# Altium PCB PCB1.PcbDoc (part 9 of 15) (continued)
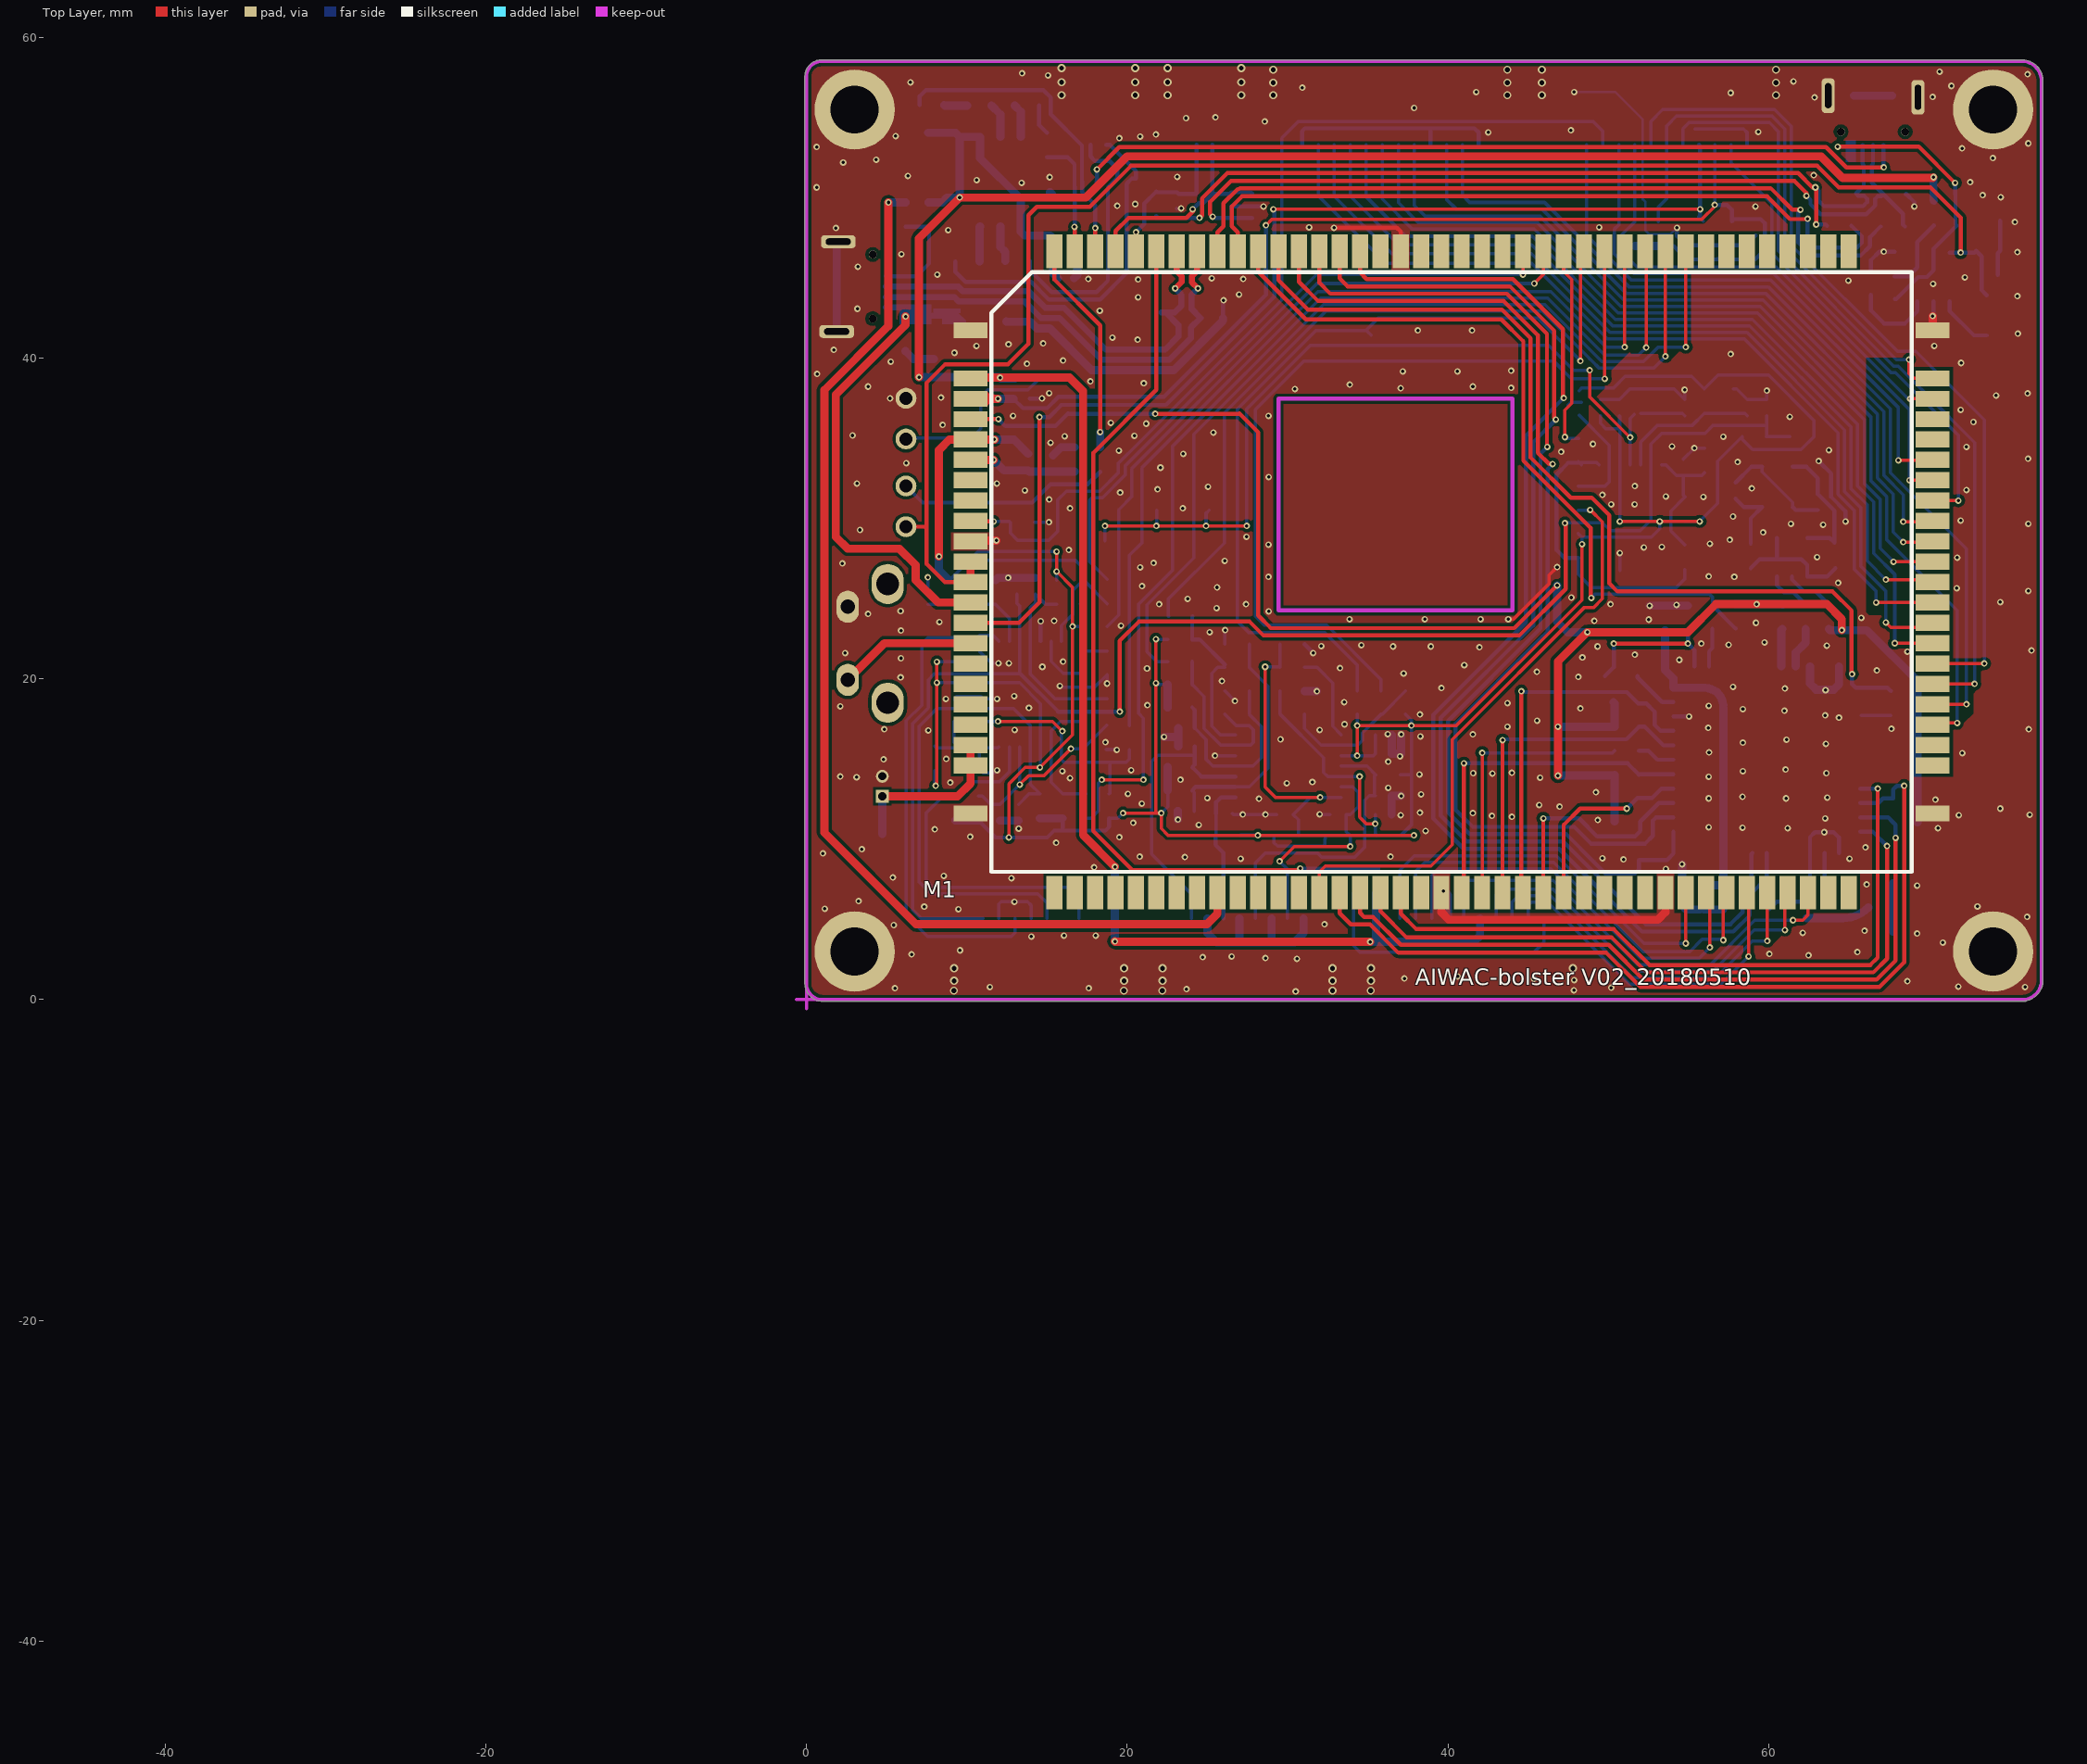
[diagram p0: Top Layer view]
## Free pads (board coordinates) (continued)
1(-45.241,-44.015) 1(-45.241,-44.015) 1(-45.241,-44.015) 1(-45.241,-44.015) 1(-45.241,-44.015) 1(-45.241,-44.015) 1(-45.241,-44.014) 1(-45.241,-44.014) 1(-45.241,-44.014) 1(-45.241,-44.014) 1(-45.241,-44.014) 1(-45.241,-44.014) 1(-45.241,-43.986) 1(-45.241,-43.986) 1(-45.241,-43.986) 1(-45.241,-43.986) 1(-45.241,-43.986) 1(-45.241,-43.986) 1(-45.241,-44.008) 1(-45.241,-44.008) 1(-45.241,-44.008) 1(-45.241,-44.008) 1(-45.241,-44.008) 1(-45.241,-44.008) 1(-45.241,-44.007) 1(-45.241,-44.007) 1(-45.241,-44.007) 1(-45.241,-44.007) 1(-45.241,-44.007) 1(-45.241,-44.007) 1(-45.241,-44.014) 1(-45.241,-44.014) 1(-45.241,-44.014) 1(-45.241,-44.014) 1(-45.241,-44.014) 1(-45.241,-44.014) 1(-45.241,-43.989) 1(-45.241,-43.989) 1(-45.241,-43.989) 1(-45.241,-43.989) 1(-45.241,-43.989) 1(-45.241,-43.989) 1(-45.241,-44.01) 1(-45.241,-44.01) 1(-45.241,-44.01) 1(-45.241,-44.01) 1(-45.241,-44.01) 1(-45.241,-44.01) 1(-45.241,-43.984) 1(-45.241,-43.984) 1(-45.241,-43.984) 1(-45.241,-43.984) 1(-45.241,-43.984) 1(-45.241,-43.984) 1(-45.241,-43.978) 1(-45.241,-43.978) 1(-45.241,-43.978) 1(-45.241,-43.976) 1(-45.241,-43.976) 1(-45.241,-43.976) 1(-45.241,-43.976) 1(-45.241,-43.976) 1(-45.241,-43.976) 1(-45.241,-43.976) 1(-45.241,-43.976) 1(-45.241,-43.976) 1(-45.241,-44.013) 1(-45.241,-44.013) 1(-45.241,-44.013) 1(-45.241,-44.013) 1(-45.241,-44.013) 1(-45.241,-44.013) 1(-45.24,-43.996) 1(-45.24,-43.996) 1(-45.24,-43.996) 1(-45.24,-43.996) 1(-45.24,-43.996) 1(-45.24,-43.996) 1(-45.24,-43.995) 1(-45.24,-43.995) 1(-45.24,-43.995) 1(-45.24,-43.995) 1(-45.24,-43.995) 1(-45.24,-43.995) 1(-45.24,-44.008) 1(-45.24,-44.008) 1(-45.24,-44.008) 1(-45.24,-44.008) 1(-45.24,-44.008) 1(-45.24,-44.008) 1(-45.24,-44.012) 1(-45.24,-44.012) 1(-45.24,-44.012) 1(-45.24,-44.012) 1(-45.24,-44.012) 1(-45.24,-44.012) 1(-45.24,-43.998) 1(-45.24,-43.998) 1(-45.24,-43.998) 1(-45.24,-43.992) 1(-45.24,-43.992) 1(-45.24,-43.992) 1(-45.24,-43.991) 1(-45.24,-43.991) 1(-45.24,-43.991) 1(-45.24,-43.992) 1(-45.24,-43.992) 1(-45.24,-43.992) 1(-45.24,-43.997) 1(-45.24,-43.997) 1(-45.24,-43.997) 1(-45.24,-43.99) 1(-45.24,-43.99) 1(-45.24,-43.99) 1(-45.24,-43.99) 1(-45.24,-43.99) 1(-45.24,-43.99) 1(-45.24,-44.006) 1(-45.24,-44.006) 1(-45.24,-44.006) 1(-45.24,-44.006) 1(-45.24,-44.006) 1(-45.24,-44.006) 1(-45.24,-43.969) 1(-45.24,-43.969) 1(-45.24,-43.969) 1(-45.24,-43.969) 1(-45.24,-43.969) 1(-45.24,-43.969) 1(-45.24,-44.009) 1(-45.24,-44.009) 1(-45.24,-44.009) 1(-45.24,-44.009) 1(-45.24,-44.009) 1(-45.24,-44.009) 1(-45.24,-43.988) 1(-45.24,-43.988) 1(-45.24,-43.988) 1(-45.24,-43.988) 1(-45.24,-43.988) 1(-45.24,-43.988) 1(-45.24,-43.987) 1(-45.24,-43.987) 1(-45.24,-43.987) 1(-45.24,-43.987) 1(-45.24,-43.987) 1(-45.24,-43.987) 1(-45.24,-43.985) 1(-45.24,-43.985) 1(-45.24,-43.985) 1(-45.24,-43.985) 1(-45.24,-43.985) 1(-45.24,-43.985) 1(-45.24,-44.017) 1(-45.24,-44.017) 1(-45.24,-44.017) 1(-45.24,-43.994) 1(-45.24,-43.994) 1(-45.24,-43.994) 1(-45.24,-43.992) 1(-45.24,-43.992) 1(-45.24,-43.992) 1(-45.24,-43.992) 1(-45.24,-43.992) 1(-45.24,-43.992) 1(-45.24,-43.975) 1(-45.24,-43.975) 1(-45.24,-43.975) 1(-45.24,-43.975) 1(-45.24,-43.975) 1(-45.24,-43.975) 1(-45.24,-43.972) 1(-45.24,-43.972) 1(-45.24,-43.972) 1(-45.24,-43.972) 1(-45.24,-43.972) 1(-45.24,-43.972) 1(-45.24,-43.97) 1(-45.24,-43.97) 1(-45.24,-43.97) 1(-45.24,-43.97) 1(-45.24,-43.97) 1(-45.24,-43.97) 1(-45.24,-44.016) 1(-45.24,-44.016) 1(-45.24,-44.016) 1(-45.24,-44.016) 1(-45.24,-44.016) 1(-45.24,-44.016) 1(-45.24,-43.977) 1(-45.24,-43.977) 1(-45.24,-43.977) 1(-45.24,-43.977) 1(-45.24,-43.977) 1(-45.24,-43.977) 1(-45.24,-43.996) 1(-45.24,-43.996) 1(-45.24,-43.996) 1(-45.24,-43.996) 1(-45.24,-43.996) 1(-45.24,-43.996) 1(-45.24,-43.994) 1(-45.24,-43.994) 1(-45.24,-43.994) 1(-45.24,-43.994) 1(-45.24,-43.994) 1(-45.24,-43.994) 1(-45.24,-43.99) 1(-45.24,-43.99) 1(-45.24,-43.99) 1(-45.24,-44.016) 1(-45.24,-44.016) 1(-45.24,-44.016) 1(-45.24,-44.016) 1(-45.24,-44.016) 1(-45.24,-44.016) 1(-45.24,-44.014) 1(-45.24,-44.014) 1(-45.24,-44.014) 1(-45.24,-44.014) 1(-45.24,-44.014) 1(-45.24,-44.014) 1(-45.24,-44.013) 1(-45.24,-44.013) 1(-45.24,-44.013) 1(-45.24,-44.012) 1(-45.24,-44.012) 1(-45.24,-44.012) 1(-45.24,-44.011) 1(-45.24,-44.011) 1(-45.24,-44.011) 1(-45.24,-44.01) 1(-45.24,-44.01) 1(-45.24,-44.01) 1(-45.24,-44.009) 1(-45.24,-44.009) 1(-45.24,-44.009) 1(-45.24,-44.008) 1(-45.24,-44.008) 1(-45.24,-44.008) 1(-45.24,-44.007) 1(-45.24,-44.007) 1(-45.24,-44.007) 1(-45.24,-44.006) 1(-45.24,-44.006) 1(-45.24,-44.006) 1(-45.24,-43.978) 1(-45.24,-43.978) 1(-45.24,-43.978) 1(-45.24,-43.978) 1(-45.24,-43.978) 1(-45.24,-43.978) 1(-45.24,-43.987) 1(-45.24,-43.987) 1(-45.24,-43.987) 1(-45.24,-43.987) 1(-45.24,-43.987) 1(-45.24,-43.987) 1(-45.239,-43.999) 1(-45.239,-43.999) 1(-45.239,-43.999) 1(-45.239,-43.999) 1(-45.239,-43.999) 1(-45.239,-43.999) 1(-45.239,-44) 1(-45.239,-44) 1(-45.239,-44) 1(-45.239,-43.992) 1(-45.239,-43.992) 1(-45.239,-43.992) 1(-45.239,-43.992) 1(-45.239,-43.992) 1(-45.239,-43.992) 1(-45.239,-43.97) 1(-45.239,-43.97) 1(-45.239,-43.97) 1(-45.239,-43.97) 1(-45.239,-43.97) 1(-45.239,-43.97) 1(-45.239,-43.977) 1(-45.239,-43.977) 1(-45.239,-43.977) 1(-45.239,-43.977) 1(-45.239,-43.977) 1(-45.239,-43.977) 1(-45.239,-43.977) 1(-45.239,-43.977) 1(-45.239,-43.977) 1(-45.239,-43.977) 1(-45.239,-43.977) 1(-45.239,-43.977) 1(-45.239,-43.977) 1(-45.239,-43.977) 1(-45.239,-43.977) 1(-45.239,-44.004) 1(-45.239,-44.004) 1(-45.239,-44.004) 1(-45.239,-44.016) 1(-45.239,-44.016) 1(-45.239,-44.016) 1(-45.239,-43.988) 1(-45.239,-43.988) 1(-45.239,-43.988) 1(-45.239,-43.988) 1(-45.239,-43.988) 1(-45.239,-43.988) 1(-45.239,-43.972) 1(-45.239,-43.972) 1(-45.239,-43.972) 1(-45.239,-43.971) 1(-45.239,-43.971) 1(-45.239,-43.971) 1(-45.239,-43.971) 1(-45.239,-43.971) 1(-45.239,-43.971) 1(-45.239,-43.993) 1(-45.239,-43.993) 1(-45.239,-43.993) 1(-45.239,-43.993) 1(-45.239,-43.993) 1(-45.239,-43.993) 1(-45.239,-43.992) 1(-45.239,-43.992) 1(-45.239,-43.992) 1(-45.239,-43.992) 1(-45.239,-43.992) 1(-45.239,-43.992) 1(-45.239,-43.992) 1(-45.239,-43.992) 1(-45.239,-43.992) 1(-45.239,-43.991) 1(-45.239,-43.991) 1(-45.239,-43.991) 1(-45.239,-43.989) 1(-45.239,-43.989) 1(-45.239,-43.989) 1(-45.239,-43.988) 1(-45.239,-43.988) 1(-45.239,-43.988) 1(-45.239,-43.988) 1(-45.239,-43.988) 1(-45.239,-43.988) 1(-45.239,-43.987) 1(-45.239,-43.987) 1(-45.239,-43.987) 1(-45.239,-43.987) 1(-45.239,-43.987) 1(-45.239,-43.987) 1(-45.239,-43.999) 1(-45.239,-43.999) 1(-45.239,-43.999) 1(-45.239,-43.999) 1(-45.239,-43.999) 1(-45.239,-43.999) 1(-45.239,-43.998) 1(-45.239,-43.998) 1(-45.239,-43.998) 1(-45.239,-43.997) 1(-45.239,-43.997) 1(-45.239,-43.997) 1(-45.239,-43.995) 1(-45.239,-43.995) 1(-45.239,-43.995) 1(-45.239,-43.994) 1(-45.239,-43.994) 1(-45.239,-43.994) 1(-45.239,-43.994) 1(-45.239,-43.994) 1(-45.239,-43.994) 1(-45.239,-44.021) 1(-45.239,-44.021) 1(-45.239,-44.021) 1(-45.239,-44.021) 1(-45.239,-44.021) 1(-45.239,-44.021) 1(-45.239,-43.984) 1(-45.239,-43.984) 1(-45.239,-43.984) 1(-45.239,-43.984) 1(-45.239,-43.984) 1(-45.239,-43.984) 1(-45.239,-43.978) 1(-45.239,-43.978) 1(-45.239,-43.978) 1(-45.239,-43.978) 1(-45.239,-43.978) 1(-45.239,-43.978) 1(-45.239,-43.979) 1(-45.239,-43.979) 1(-45.239,-43.979) 1(-45.239,-43.979) 1(-45.239,-43.979) 1(-45.239,-43.979) 1(-45.239,-44.003) 1(-45.239,-44.003) 1(-45.239,-44.003) 1(-45.239,-44.003) 1(-45.239,-44.003) 1(-45.239,-44.003) 1(-45.239,-44.003) 1(-45.239,-44.003) 1(-45.239,-44.003) 1(-45.239,-44.002) 1(-45.239,-44.002) 1(-45.239,-44.002) 1(-45.239,-44.007) 1(-45.239,-44.007) 1(-45.239,-44.007) 1(-45.239,-44.007) 1(-45.239,-44.007) 1(-45.239,-44.007) 1(-45.239,-44.007) 1(-45.239,-44.007) 1(-45.239,-44.007) 1(-45.239,-44.007) 1(-45.239,-44.007) 1(-45.239,-44.007) 1(-45.239,-43.97) 1(-45.239,-43.97) 1(-45.239,-43.97) 1(-45.239,-43.97) 1(-45.239,-43.97) 1(-45.239,-43.97) 1(-45.239,-44.022) 1(-45.239,-44.022) 1(-45.239,-44.022) 1(-45.239,-44.022) 1(-45.239,-44.022) 1(-45.239,-44.022) 1(-45.238,-43.986) 1(-45.238,-43.986) 1(-45.238,-43.986) 1(-45.238,-43.986) 1(-45.238,-43.986) 1(-45.238,-43.986) 1(-45.238,-43.989) 1(-45.238,-43.989) 1(-45.238,-43.989) 1(-45.238,-43.989) 1(-45.238,-43.989) 1(-45.238,-43.989) 1(-45.238,-43.991) 1(-45.238,-43.991) 1(-45.238,-43.991) 1(-45.238,-43.991) 1(-45.238,-43.991) 1(-45.238,-43.991) 1(-45.238,-43.991) 1(-45.238,-43.991) 1(-45.238,-43.991) 1(-45.238,-44.004) 1(-45.238,-44.004) 1(-45.238,-44.004) 1(-45.238,-44.003) 1(-45.238,-44.003) 1(-45.238,-44.003) 1(-45.238,-44.003) 1(-45.238,-44.003) 1(-45.238,-44.003) 1(-45.238,-43.971) 1(-45.238,-43.971) 1(-45.238,-43.971) 1(-45.238,-43.976) 1(-45.238,-43.976) 1(-45.238,-43.976) 1(-45.238,-43.976) 1(-45.238,-43.976) 1(-45.238,-43.976) 1(-45.238,-43.972) 1(-45.238,-43.972) 1(-45.238,-43.972) 1(-45.238,-44.022) 1(-45.238,-44.022) 1(-45.238,-44.022) 1(-45.238,-44.022) 1(-45.238,-44.022) 1(-45.238,-44.022) 1(-45.238,-43.995) 1(-45.238,-43.995) 1(-45.238,-43.995) 1(-45.238,-43.995) 1(-45.238,-43.995) 1(-45.238,-43.995) 1(-45.238,-43.995) 1(-45.238,-43.995) 1(-45.238,-43.995) 1(-45.238,-43.976) 1(-45.238,-43.976) 1(-45.238,-43.976) 1(-45.238,-43.976) 1(-45.238,-43.976) 1(-45.238,-43.976) 1(-45.238,-43.976) 1(-45.238,-43.976) 1(-45.238,-43.976) 1(-45.238,-43.976) 1(-45.238,-43.976) 1(-45.238,-43.976) 1(-45.238,-43.976) 1(-45.238,-43.976) 1(-45.238,-43.976) 1(-45.238,-43.972) 1(-45.238,-43.972) 1(-45.238,-43.972) 1(-45.238,-43.972) 1(-45.238,-43.972) 1(-45.238,-43.972) 1(-45.238,-44.003) 1(-45.238,-44.003) 1(-45.238,-44.003) 1(-45.238,-43.992) 1(-45.238,-43.992) 1(-45.238,-43.992) 1(-45.238,-43.992) 1(-45.238,-43.992) 1(-45.238,-43.992) 1(-45.238,-44.021) 1(-45.238,-44.021) 1(-45.238,-44.021) 1(-45.238,-44.021) 1(-45.238,-44.021) 1(-45.238,-44.021) 1(-45.238,-43.994) 1(-45.238,-43.994) 1(-45.238,-43.994) 1(-45.238,-43.978) 1(-45.238,-43.978) 1(-45.238,-43.978) 1(-45.238,-43.978) 1(-45.238,-43.978) 1(-45.238,-43.978) 1(-45.238,-43.976) 1(-45.238,-43.976) 1(-45.238,-43.976) 1(-45.238,-43.988) 1(-45.238,-43.988) 1(-45.238,-43.988) 1(-45.238,-43.988) 1(-45.238,-43.988) 1(-45.238,-43.988) 1(-45.238,-43.987) 1(-45.238,-43.987) 1(-45.238,-43.987) 1(-45.238,-43.987) 1(-45.238,-43.987) 1(-45.238,-43.987) 1(-45.238,-43.992) 1(-45.238,-43.992) 1(-45.238,-43.992) 1(-45.238,-43.991) 1(-45.238,-43.991) 1(-45.238,-43.991) 1(-45.238,-43.99) 1(-45.238,-43.99) 1(-45.238,-43.99) 1(-45.238,-43.99) 1(-45.238,-43.99) 1(-45.238,-43.99) 1(-45.237,-44.008) 1(-45.237,-44.008) 1(-45.237,-44.008) 1(-45.237,-44.014) 1(-45.237,-44.014) 1(-45.237,-44.014) 1(-45.237,-44.012) 1(-45.237,-44.012) 1(-45.237,-44.012) 1(-45.237,-44.011) 1(-45.237,-44.011) 1(-45.237,-44.011) 1(-45.237,-44.007) 1(-45.237,-44.007) 1(-45.237,-44.007) 1(-45.237,-43.999) 1(-45.237,-43.999) 1(-45.237,-43.999) 1(-45.237,-44.004) 1(-45.237,-44.004) 1(-45.237,-44.004) 1(-45.237,-44.003) 1(-45.237,-44.003) 1(-45.237,-44.003) 1(-45.237,-44.003) 1(-45.237,-44.003) 1(-45.237,-44.003) 1(-45.237,-44.01) 1(-45.237,-44.01) 1(-45.237,-44.01) 1(-45.237,-44.022) 1(-45.237,-44.022) 1(-45.237,-44.022) 1(-45.237,-44.022) 1(-45.237,-44.022) 1(-45.237,-44.022) 1(-45.237,-44) 1(-45.237,-44) 1(-45.237,-44) 1(-45.237,-44) 1(-45.237,-44) 1(-45.237,-44) 1(-45.237,-43.997) 1(-45.237,-43.997) 1(-45.237,-43.997) 1(-45.237,-44.023) 1(-45.237,-44.023) 1(-45.237,-44.023) 1(-45.237,-44.023) 1(-45.237,-44.023) 1(-45.237,-44.023) 1(-45.237,-44.003) 1(-45.237,-44.003) 1(-45.237,-44.003) 1(-45.237,-44.003) 1(-45.237,-44.003) 1(-45.237,-44.003) 1(-45.237,-44.002) 1(-45.237,-44.002) 1(-45.237,-44.002) 1(-45.237,-44) 1(-45.237,-44) 1(-45.237,-44) 1(-45.237,-44) 1(-45.237,-44) 1(-45.237,-44) 1(-45.237,-44) 1(-45.237,-44) 1(-45.237,-44) 1(-45.237,-44) 1(-45.237,-44) 1(-45.237,-44) 1(-45.237,-44) 1(-45.237,-44) 1(-45.237,-44) 1(-45.237,-44) 1(-45.237,-44) 1(-45.237,-44) 1(-45.237,-44.023) 1(-45.237,-44.023) 1(-45.237,-44.023) 1(-45.237,-44.023) 1(-45.237,-44.023) 1(-45.237,-44.023) 1(-45.237,-43.989) 1(-45.237,-43.989) 1(-45.237,-43.989) 1(-45.237,-43.989) 1(-45.237,-43.989) 1(-45.237,-43.989) 1(-45.237,-43.975) 1(-45.237,-43.975) 1(-45.237,-43.975) 1(-45.237,-43.975) 1(-45.237,-43.975) 1(-45.237,-43.975) 1(-45.237,-43.975) 1(-45.237,-43.975) 1(-45.237,-43.975) 1(-45.237,-43.972) 1(-45.237,-43.972) 1(-45.237,-43.972) 1(-45.237,-43.972) 1(-45.237,-43.972) 1(-45.237,-43.972) 1(-45.237,-43.972) 1(-45.237,-43.972) 1(-45.237,-43.972) 1(-45.237,-44.024) 1(-45.237,-44.024) 1(-45.237,-44.024) 1(-45.237,-44.024) 1(-45.237,-44.024) 1(-45.237,-44.024) 1(-45.237,-43.979) 1(-45.237,-43.979) 1(-45.237,-43.979) 1(-45.237,-43.979) 1(-45.237,-43.979) 1(-45.237,-43.979) 1(-45.237,-43.979) 1(-45.237,-43.979) 1(-45.237,-43.979) 1(-45.237,-43.979) 1(-45.237,-43.979) 1(-45.237,-43.979) 1(-45.237,-43.994) 1(-45.237,-43.994) 1(-45.237,-43.994) 1(-45.237,-43.994) 1(-45.237,-43.994) 1(-45.237,-43.994) 1(-45.237,-43.991) 1(-45.237,-43.991) 1(-45.237,-43.991) 1(-45.237,-43.991) 1(-45.237,-43.991) 1(-45.237,-43.991) 1(-45.237,-43.986) 1(-45.237,-43.986) 1(-45.237,-43.986) 1(-45.237,-43.986) 1(-45.237,-43.986) 1(-45.237,-43.986) 1(-45.237,-43.979) 1(-45.237,-43.979) 1(-45.237,-43.979) 1(-45.237,-43.979) 1(-45.237,-43.979) 1(-45.237,-43.979) 1(-45.237,-43.979) 1(-45.237,-43.979) 1(-45.237,-43.979) 1(-45.237,-43.979) 1(-45.237,-43.979) 1(-45.237,-43.979) 1(-45.237,-44.024) 1(-45.237,-44.024) 1(-45.237,-44.024) 1(-45.237,-44.024) 1(-45.237,-44.024) 1(-45.237,-44.024) 1(-45.237,-44.021) 1(-45.237,-44.021) 1(-45.237,-44.021) 1(-45.237,-44.021) 1(-45.237,-44.021) 1(-45.237,-44.021) 1(-45.236,-44.021) 1(-45.236,-44.021) 1(-45.236,-44.021) 1(-45.236,-44.021) 1(-45.236,-44.021) 1(-45.236,-44.021) 1(-45.236,-43.99) 1(-45.236,-43.99) 1(-45.236,-43.99) 1(-45.236,-43.988) 1(-45.236,-43.988) 1(-45.236,-43.988) 1(-45.236,-43.988) 1(-45.236,-43.988) 1(-45.236,-43.988) 1(-45.236,-43.975) 1(-45.236,-43.975) 1(-45.236,-43.975) 1(-45.236,-43.975) 1(-45.236,-43.975) 1(-45.236,-43.975) 1(-45.236,-44.003) 1(-45.236,-44.003) 1(-45.236,-44.003) 1(-45.236,-43.996) 1(-45.236,-43.996) 1(-45.236,-43.996) 1(-45.236,-44.02) 1(-45.236,-44.02) 1(-45.236,-44.02) 1(-45.236,-44.02) 1(-45.236,-44.02) 1(-45.236,-44.02) 1(-45.236,-43.985) 1(-45.236,-43.985) 1(-45.236,-43.985) 1(-45.236,-43.968) 1(-45.236,-43.968) 1(-45.236,-43.968) 1(-45.236,-43.973) 1(-45.236,-43.973) 1(-45.236,-43.973) 1(-45.236,-43.973) 1(-45.236,-43.973) 1(-45.236,-43.973) 1(-45.236,-43.972) 1(-45.236,-43.972) 1(-45.236,-43.972) 1(-45.236,-43.978) 1(-45.236,-43.978) 1(-45.236,-43.978) 1(-45.236,-43.978) 1(-45.236,-43.978) 1(-45.236,-43.978) 1(-45.236,-43.976) 1(-45.236,-43.976) 1(-45.236,-43.976) 1(-45.236,-43.976) 1(-45.236,-43.976) 1(-45.236,-43.976) 1(-45.236,-43.976) 1(-45.236,-43.976) 1(-45.236,-43.976) 1(-45.236,-43.976) 1(-45.236,-43.976) 1(-45.236,-43.976) 1(-45.236,-44.005) 1(-45.236,-44.005) 1(-45.236,-44.005) 1(-45.236,-43.995) 1(-45.236,-43.995) 1(-45.236,-43.995) 1(-45.236,-44.021) 1(-45.236,-44.021) 1(-45.236,-44.021) 1(-45.236,-44.021) 1(-45.236,-44.021) 1(-45.236,-44.021) 1(-45.236,-43.987) 1(-45.236,-43.987) 1(-45.236,-43.987) 1(-45.236,-43.976) 1(-45.236,-43.976) 1(-45.236,-43.976) 1(-45.236,-43.976) 1(-45.236,-43.976) 1(-45.236,-43.976) 1(-45.236,-43.999) 1(-45.236,-43.999) 1(-45.236,-43.999) 1(-45.236,-44.002) 1(-45.236,-44.002) 1(-45.236,-44.002) 1(-45.236,-43.994) 1(-45.236,-43.994) 1(-45.236,-43.994) 1(-45.236,-43.993) 1(-45.236,-43.993) 1(-45.236,-43.993) 1(-45.236,-43.987) 1(-45.236,-43.987) 1(-45.236,-43.987) 1(-45.236,-43.987) 1(-45.236,-43.987) 1(-45.236,-43.987) 1(-45.236,-43.991) 1(-45.236,-43.991) 1(-45.236,-43.991) 1(-45.235,-43.99) 1(-45.235,-43.99) 1(-45.235,-43.99) 1(-45.235,-43.99) 1(-45.235,-43.99) 1(-45.235,-43.99) 1(-45.235,-43.99) 1(-45.235,-43.99) 1(-45.235,-43.99) 1(-45.235,-43.99) 1(-45.235,-43.99) 1(-45.235,-43.99) 1(-45.235,-44.019) 1(-45.235,-44.019) 1(-45.235,-44.019) 1(-45.235,-44.019) 1(-45.235,-44.019) 1(-45.235,-44.019) 1(-45.235,-44.018) 1(-45.235,-44.018) 1(-45.235,-44.018) 1(-45.235,-44.018) 1(-45.235,-44.018) 1(-45.235,-44.018) 1(-45.235,-44.014) 1(-45.235,-44.014) 1(-45.235,-44.014) 1(-45.235,-44.012) 1(-45.235,-44.012) 1(-45.235,-44.012) 1(-45.235,-44.011) 1(-45.235,-44.011) 1(-45.235,-44.011) 1(-45.235,-44.009) 1(-45.235,-44.009) 1(-45.235,-44.009) 1(-45.235,-44.007) 1(-45.235,-44.007) 1(-45.235,-44.007) 1(-45.235,-43.971) 1(-45.235,-43.971) 1(-45.235,-43.971) 1(-45.235,-43.971) 1(-45.235,-43.971) 1(-45.235,-43.971) 1(-45.235,-43.994) 1(-45.235,-43.994) 1(-45.235,-43.994) 1(-45.235,-43.994) 1(-45.235,-43.994) 1(-45.235,-43.994) 1(-45.235,-43.984) 1(-45.235,-43.984) 1(-45.235,-43.984) 1(-45.235,-43.984) 1(-45.235,-43.984) 1(-45.235,-43.984) 1(-45.235,-43.988) 1(-45.235,-43.988) 1(-45.235,-43.988) 1(-45.235,-43.988) 1(-45.235,-43.988) 1(-45.235,-43.988) 1(-45.235,-43.978) 1(-45.235,-43.978) 1(-45.235,-43.978) 1(-45.235,-43.978) 1(-45.235,-43.978) 1(-45.235,-43.978) 1(-45.235,-43.983) 1(-45.235,-43.983) 1(-45.235,-43.983) 1(-45.235,-43.983) 1(-45.235,-43.983) 1(-45.235,-43.983) 1(-45.235,-43.972) 1(-45.235,-43.972) 1(-45.235,-43.972) 1(-45.235,-43.971) 1(-45.235,-43.971) 1(-45.235,-43.971) 1(-45.235,-43.971) 1(-45.235,-43.971) 1(-45.235,-43.971) 1(-45.235,-43.989) 1(-45.235,-43.989) 1(-45.235,-43.989) 1(-45.235,-43.988) 1(-45.235,-43.988) 1(-45.235,-43.988) 1(-45.235,-43.988) 1(-45.235,-43.988) 1(-45.235,-43.988) 1(-45.235,-44.022) 1(-45.235,-44.022) 1(-45.235,-44.022) 1(-45.235,-44.022) 1(-45.235,-44.022) 1(-45.235,-44.022) 1(-45.235,-43.983) 1(-45.235,-43.983) 1(-45.235,-43.983) 1(-45.235,-43.983) 1(-45.235,-43.983) 1(-45.235,-43.983) 1(-45.235,-44.02) 1(-45.235,-44.02) 1(-45.235,-44.02) 1(-45.235,-44.02) 1(-45.235,-44.02) 1(-45.235,-44.02) 1(-45.235,-44.018) 1(-45.235,-44.018) 1(-45.235,-44.018) 1(-45.235,-44.018) 1(-45.235,-44.018) 1(-45.235,-44.018) 1(-45.235,-43.998) 1(-45.235,-43.998) 1(-45.235,-43.998) 1(-45.235,-43.996) 1(-45.235,-43.996) 1(-45.235,-43.996) 1(-45.235,-43.995) 1(-45.235,-43.995) 1(-45.235,-43.995) 1(-45.235,-43.995) 1(-45.235,-43.995) 1(-45.235,-43.995) 1(-45.235,-43.992) 1(-45.235,-43.992) 1(-45.235,-43.992) 1(-45.235,-43.992) 1(-45.235,-43.992) 1(-45.235,-43.992) 1(-45.235,-44.017) 1(-45.235,-44.017) 1(-45.235,-44.017) 1(-45.235,-44.017) 1(-45.235,-44.017) 1(-45.235,-44.017) 1(-45.235,-44.016) 1(-45.235,-44.016) 1(-45.235,-44.016) 1(-45.235,-44.016) 1(-45.235,-44.016) 1(-45.235,-44.016) 1(-45.235,-43.993) 1(-45.235,-43.993) 1(-45.235,-43.993) 1(-45.235,-44.016) 1(-45.235,-44.016) 1(-45.235,-44.016) 1(-45.235,-43.983) 1(-45.235,-43.983) 1(-45.235,-43.983) 1(-45.235,-43.983) 1(-45.235,-43.983) 1(-45.235,-43.983) 1(-45.235,-44.021) 1(-45.235,-44.021) 1(-45.235,-44.021) 1(-45.235,-44.021) 1(-45.235,-44.021) 1(-45.235,-44.021) 1(-45.235,-43.991) 1(-45.235,-43.991) 1(-45.235,-43.991) 1(-45.235,-43.991) 1(-45.235,-43.991) 1(-45.235,-43.991) 1(-45.235,-44.021) 1(-45.235,-44.021) 1(-45.235,-44.021) 1(-45.235,-44.021) 1(-45.235,-44.021) 1(-45.235,-44.021) 1(-45.235,-44.02) 1(-45.235,-44.02) 1(-45.235,-44.02) 1(-45.235,-44.02) 1(-45.235,-44.02) 1(-45.235,-44.02) 1(-45.234,-43.979) 1(-45.234,-43.979) 1(-45.234,-43.979) 1(-45.234,-43.979) 1(-45.234,-43.979) 1(-45.234,-43.979) 1(-45.234,-43.977) 1(-45.234,-43.977) 1(-45.234,-43.977) 1(-45.234,-43.976) 1(-45.234,-43.976) 1(-45.234,-43.976) 1(-45.234,-43.976) 1(-45.234,-43.976) 1(-45.234,-43.976) 1(-45.234,-43.975) 1(-45.234,-43.975) 1(-45.234,-43.975) 1(-45.234,-44.001) 1(-45.234,-44.001) 1(-45.234,-44.001) 1(-45.234,-44) 1(-45.234,-44) 1(-45.234,-44) 1(-45.234,-43.982) 1(-45.234,-43.982) 1(-45.234,-43.982) 1(-45.234,-43.982) 1(-45.234,-43.982) 1(-45.234,-43.982) 1(-45.234,-43.971) 1(-45.234,-43.971) 1(-45.234,-43.971) 1(-45.234,-43.997) 1(-45.234,-43.997) 1(-45.234,-43.997) 1(-45.234,-43.997) 1(-45.234,-43.997) 1(-45.234,-43.997) 1(-45.234,-44.018) 1(-45.234,-44.018) 1(-45.234,-44.018) 1(-45.234,-44.018) 1(-45.234,-44.018) 1(-45.234,-44.018) 1(-45.234,-43.982) 1(-45.234,-43.982) 1(-45.234,-43.982) 1(-45.234,-43.982) 1(-45.234,-43.982) 1(-45.234,-43.982) 1(-45.234,-43.976) 1(-45.234,-43.976) 1(-45.234,-43.976) 1(-45.234,-43.976) 1(-45.234,-43.976) 1(-45.234,-43.976) 1(-45.234,-43.994) 1(-45.234,-43.994) 1(-45.234,-43.994) 1(-45.234,-43.994) 1(-45.234,-43.994) 1(-45.234,-43.994) 1(-45.234,-43.992) 1(-45.234,-43.992) 1(-45.234,-43.992) 1(-45.234,-43.992) 1(-45.234,-43.992) 1(-45.234,-43.992) 1(-45.234,-43.992) 1(-45.234,-43.992) 1(-45.234,-43.992) 1(-45.234,-43.992) 1(-45.234,-43.992) 1(-45.234,-43.992) 1(-45.234,-43.981) 1(-45.234,-43.981) 1(-45.234,-43.981) 1(-45.234,-43.981) 1(-45.234,-43.981) 1(-45.234,-43.981) 1(-45.234,-43.996) 1(-45.234,-43.996) 1(-45.234,-43.996) 1(-45.234,-44.003) 1(-45.234,-44.003) 1(-45.234,-44.003) 1(-45.234,-43.978) 1(-45.234,-43.978) 1(-45.234,-43.978) 1(-45.234,-43.978) 1(-45.234,-43.978) 1(-45.234,-43.978) 1(-45.234,-43.977) 1(-45.234,-43.977) 1(-45.234,-43.977) 1(-45.234,-43.977) 1(-45.234,-43.977) 1(-45.234,-43.977) 1(-45.234,-43.981) 1(-45.234,-43.981) 1(-45.234,-43.981) 1(-45.234,-43.981) 1(-45.234,-43.981) 1(-45.234,-43.981) 1(-45.234,-43.989) 1(-45.234,-43.989) 1(-45.234,-43.989) 1(-45.234,-43.989) 1(-45.234,-43.989) 1(-45.234,-43.989) 1(-45.234,-43.99) 1(-45.234,-43.99) 1(-45.234,-43.99) 1(-45.234,-43.99) 1(-45.234,-43.99) 1(-45.234,-43.99) 1(-45.234,-44.018) 1(-45.234,-44.018) 1(-45.234,-44.018) 1(-45.234,-44.016) 1(-45.234,-44.016) 1(-45.234,-44.016) 1(-45.234,-43.99) 1(-45.234,-43.99) 1(-45.234,-43.99) 1(-45.234,-43.99) 1(-45.234,-43.99) 1(-45.234,-43.99) 1(-45.234,-43.989) 1(-45.234,-43.989) 1(-45.234,-43.989) 1(-45.234,-43.989) 1(-45.234,-43.989) 1(-45.234,-43.989) 1(-45.234,-43.989) 1(-45.234,-43.989) 1(-45.234,-43.989) 1(-45.234,-43.989) 1(-45.234,-43.989) 1(-45.234,-43.989) 1(-45.234,-43.988) 1(-45.234,-43.988) 1(-45.234,-43.988) 1(-45.234,-43.988) 1(-45.234,-43.988) 1(-45.234,-43.988) 1(-45.234,-43.987) 1(-45.234,-43.987) 1(-45.234,-43.987) 1(-45.234,-43.987) 1(-45.234,-43.987) 1(-45.234,-43.987) 1(-45.234,-44.021) 1(-45.234,-44.021) 1(-45.234,-44.021) 1(-45.234,-44.021) 1(-45.234,-44.021) 1(-45.234,-44.021) 1(-45.234,-43.98) 1(-45.234,-43.98) 1(-45.234,-43.98) 1(-45.234,-43.98) 1(-45.234,-43.98) 1(-45.234,-43.98) 1(-45.234,-43.986) 1(-45.234,-43.986) 1(-45.234,-43.986) 1(-45.234,-43.986) 1(-45.234,-43.986) 1(-45.234,-43.986) 1(-45.234,-44.019) 1(-45.234,-44.019) 1(-45.234,-44.019) 1(-45.234,-44.018) 1(-45.234,-44.018) 1(-45.234,-44.018) 1(-45.234,-44.022) 1(-45.234,-44.022) 1(-45.234,-44.022) 1(-45.234,-43.97) 1(-45.234,-43.97) 1(-45.234,-43.97) 1(-45.234,-43.97) 1(-45.234,-43.97) 1(-45.234,-43.97) 1(-45.234,-43.98) 1(-45.234,-43.98) 1(-45.234,-43.98) 1(-45.234,-43.98) 1(-45.234,-43.98) 1(-45.234,-43.98) 1(-45.233,-43.978) 1(-45.233,-43.978) 1(-45.233,-43.978) 1(-45.233,-43.978) 1(-45.233,-43.978) 1(-45.233,-43.978) 1(-45.233,-43.975) 1(-45.233,-43.975) 1(-45.233,-43.975) 1(-45.233,-43.975) 1(-45.233,-43.975) 1(-45.233,-43.975) 1(-45.233,-43.97) 1(-45.233,-43.97) 1(-45.233,-43.97) 1(-45.233,-43.97) 1(-45.233,-43.97) 1(-45.233,-43.97) 1(-45.233,-43.98) 1(-45.233,-43.98) 1(-45.233,-43.98) 1(-45.233,-43.98) 1(-45.233,-43.98) 1(-45.233,-43.98) 1(-45.233,-43.969) 1(-45.233,-43.969) 1(-45.233,-43.969) 1(-45.233,-43.969) 1(-45.233,-43.969) 1(-45.233,-43.969) 1(-45.233,-43.979) 1(-45.233,-43.979) 1(-45.233,-43.979) 1(-45.233,-43.979) 1(-45.233,-43.979) 1(-45.233,-43.979) 1(-45.233,-44.019) 1(-45.233,-44.019) 1(-45.233,-44.019) 1(-45.233,-44.019) 1(-45.233,-44.019) 1(-45.233,-44.019) 1(-45.233,-43.999) 1(-45.233,-43.999) 1(-45.233,-43.999) 1(-45.233,-43.999) 1(-45.233,-43.999) 1(-45.233,-43.999) 1(-45.233,-43.999) 1(-45.233,-43.999) 1(-45.233,-43.999) 1(-45.233,-43.997) 1(-45.233,-43.997) 1(-45.233,-43.997) 1(-45.233,-43.997) 1(-45.233,-43.997) 1(-45.233,-43.997) 1(-45.233,-43.996) 1(-45.233,-43.996) 1(-45.233,-43.996) 1(-45.233,-43.997) 1(-45.233,-43.997) 1(-45.233,-43.997) 1(-45.233,-43.997) 1(-45.233,-43.997) 1(-45.233,-43.997) 1(-45.233,-43.997) 1(-45.233,-43.997) 1(-45.233,-43.997) 1(-45.233,-43.978) 1(-45.233,-43.978) 1(-45.233,-43.978) 1(-45.233,-43.978) 1(-45.233,-43.978) 1(-45.233,-43.978) 1(-45.233,-43.971) 1(-45.233,-43.971) 1(-45.233,-43.971) 1(-45.233,-43.971) 1(-45.233,-43.971) 1(-45.233,-43.971) 1(-45.233,-44) 1(-45.233,-44) 1(-45.233,-44) 1(-45.233,-44) 1(-45.233,-44) 1(-45.233,-44) 1(-45.233,-44.007) 1(-45.233,-44.007) 1(-45.233,-44.007) 1(-45.233,-44.021) 1(-45.233,-44.021) 1(-45.233,-44.021) 1(-45.233,-44.021) 1(-45.233,-44.021) 1(-45.233,-44.021) 1(-45.233,-44.006) 1(-45.233,-44.006) 1(-45.233,-44.006) 1(-45.233,-43.978) 1(-45.233,-43.978) 1(-45.233,-43.978) 1(-45.233,-43.978) 1(-45.233,-43.978) 1(-45.233,-43.978) 1(-45.233,-43.971) 1(-45.233,-43.971) 1(-45.233,-43.971) 1(-45.233,-43.971) 1(-45.233,-43.971) 1(-45.233,-43.971) 1(-45.233,-44.011) 1(-45.233,-44.011) 1(-45.233,-44.011) 1(-45.233,-44.012) 1(-45.233,-44.012) 1(-45.233,-44.012) 1(-45.233,-44.009) 1(-45.233,-44.009) 1(-45.233,-44.009) 1(-45.232,-44.014) 1(-45.232,-44.014) 1(-45.232,-44.014) 1(-45.232,-43.99) 1(-45.232,-43.99) 1(-45.232,-43.99) 1(-45.232,-43.989) 1(-45.232,-43.989) 1(-45.232,-43.989) 1(-45.232,-43.995) 1(-45.232,-43.995) 1(-45.232,-43.995) 1(-45.232,-43.978) 1(-45.232,-43.978) 1(-45.232,-43.978) 1(-45.232,-43.978) 1(-45.232,-43.978) 1(-45.232,-43.978) 1(-45.232,-43.97) 1(-45.232,-43.97) 1(-45.232,-43.97) 1(-45.232,-43.97) 1(-45.232,-43.97) 1(-45.232,-43.97) 1(-45.232,-43.999) 1(-45.232,-43.999) 1(-45.232,-43.999) 1(-45.232,-43.999) 1(-45.232,-43.999) 1(-45.232,-43.999) 1(-45.232,-43.999) 1(-45.232,-43.999) 1(-45.232,-43.999) 1(-45.232,-43.994) 1(-45.232,-43.994) 1(-45.232,-43.994) 1(-45.232,-43.994) 1(-45.232,-43.994) 1(-45.232,-43.994) 1(-45.232,-43.994) 1(-45.232,-43.994) 1(-45.232,-43.994) 1(-45.232,-43.994) 1(-45.232,-43.994) 1(-45.232,-43.994) 1(-45.232,-43.992) 1(-45.232,-43.992) 1(-45.232,-43.992) 1(-45.232,-44.02) 1(-45.232,-44.02) 1(-45.232,-44.02) 1(-45.232,-44.02) 1(-45.232,-44.02) 1(-45.232,-44.02) 1(-45.232,-44) 1(-45.232,-44) 1(-45.232,-44) 1(-45.232,-44) 1(-45.232,-44) 1(-45.232,-44) 1(-45.232,-43.968) 1(-45.232,-43.968) 1(-45.232,-43.968) 1(-45.232,-43.994) 1(-45.232,-43.994) 1(-45.232,-43.994) 1(-45.232,-43.994) 1(-45.232,-43.994) 1(-45.232,-43.994) 1(-45.232,-43.978) 1(-45.232,-43.978) 1(-45.232,-43.978) 1(-45.232,-43.978) 1(-45.232,-43.978) 1(-45.232,-43.978) 1(-45.232,-43.976) 1(-45.232,-43.976) 1(-45.232,-43.976) 1(-45.232,-43.976) 1(-45.232,-43.976) 1(-45.232,-43.976) 1(-45.232,-43.976) 1(-45.232,-43.976) 1(-45.232,-43.976) 1(-45.232,-43.976) 1(-45.232,-43.976) 1(-45.232,-43.976) 1(-45.232,-43.991) 1(-45.232,-43.991) 1(-45.232,-43.991) 1(-45.232,-43.991) 1(-45.232,-43.991) 1(-45.232,-43.991) 1(-45.232,-43.997) 1(-45.232,-43.997) 1(-45.232,-43.997) 1(-45.232,-43.997) 1(-45.232,-43.997) 1(-45.232,-43.997) 1(-45.232,-44.021) 1(-45.232,-44.021) 1(-45.232,-44.021) 1(-45.231,-43.999) 1(-45.231,-43.999) 1(-45.231,-43.999) 1(-45.231,-43.999) 1(-45.231,-43.999) 1(-45.231,-43.999) 1(-45.231,-44) 1(-45.231,-44) 1(-45.231,-44) 1(-45.231,-43.975) 1(-45.231,-43.975) 1(-45.231,-43.975) 1(-45.231,-43.975) 1(-45.231,-43.975) 1(-45.231,-43.975) 1(-45.231,-43.992) 1(-45.231,-43.992) 1(-45.231,-43.992) 1(-45.231,-43.992) 1(-45.231,-43.992) 1(-45.231,-43.992) 1(-45.231,-44.019) 1(-45.231,-44.019) 1(-45.231,-44.019) 1(-45.231,-44.019) 1(-45.231,-44.019) 1(-45.231,-44.019) 1(-45.231,-43.999) 1(-45.231,-43.999) 1(-45.231,-43.999) 1(-45.231,-43.999) 1(-45.231,-43.999) 1(-45.231,-43.999) 1(-45.231,-43.998) 1(-45.231,-43.998) 1(-45.231,-43.998) 1(-45.231,-43.998) 1(-45.231,-43.998) 1(-45.231,-43.998) 1(-45.231,-43.996) 1(-45.231,-43.996) 1(-45.231,-43.996) 1(-45.231,-43.978) 1(-45.231,-43.978) 1(-45.231,-43.978) 1(-45.231,-43.978) 1(-45.231,-43.978) 1(-45.231,-43.978) 1(-45.231,-43.976) 1(-45.231,-43.976) 1(-45.231,-43.976) 1(-45.231,-43.976) 1(-45.231,-43.976) 1(-45.231,-43.976) 1(-45.231,-44.022) 1(-45.231,-44.022) 1(-45.231,-44.022) 1(-45.231,-44.019) 1(-45.231,-44.019) 1(-45.231,-44.019) 1(-45.231,-44.019) 1(-45.231,-44.019) 1(-45.231,-44.019) 1(-45.231,-44.018) 1(-45.231,-44.018) 1(-45.231,-44.018) 1(-45.231,-44.018) 1(-45.231,-44.018)